# Allegro board STANDARD.brd (continued)
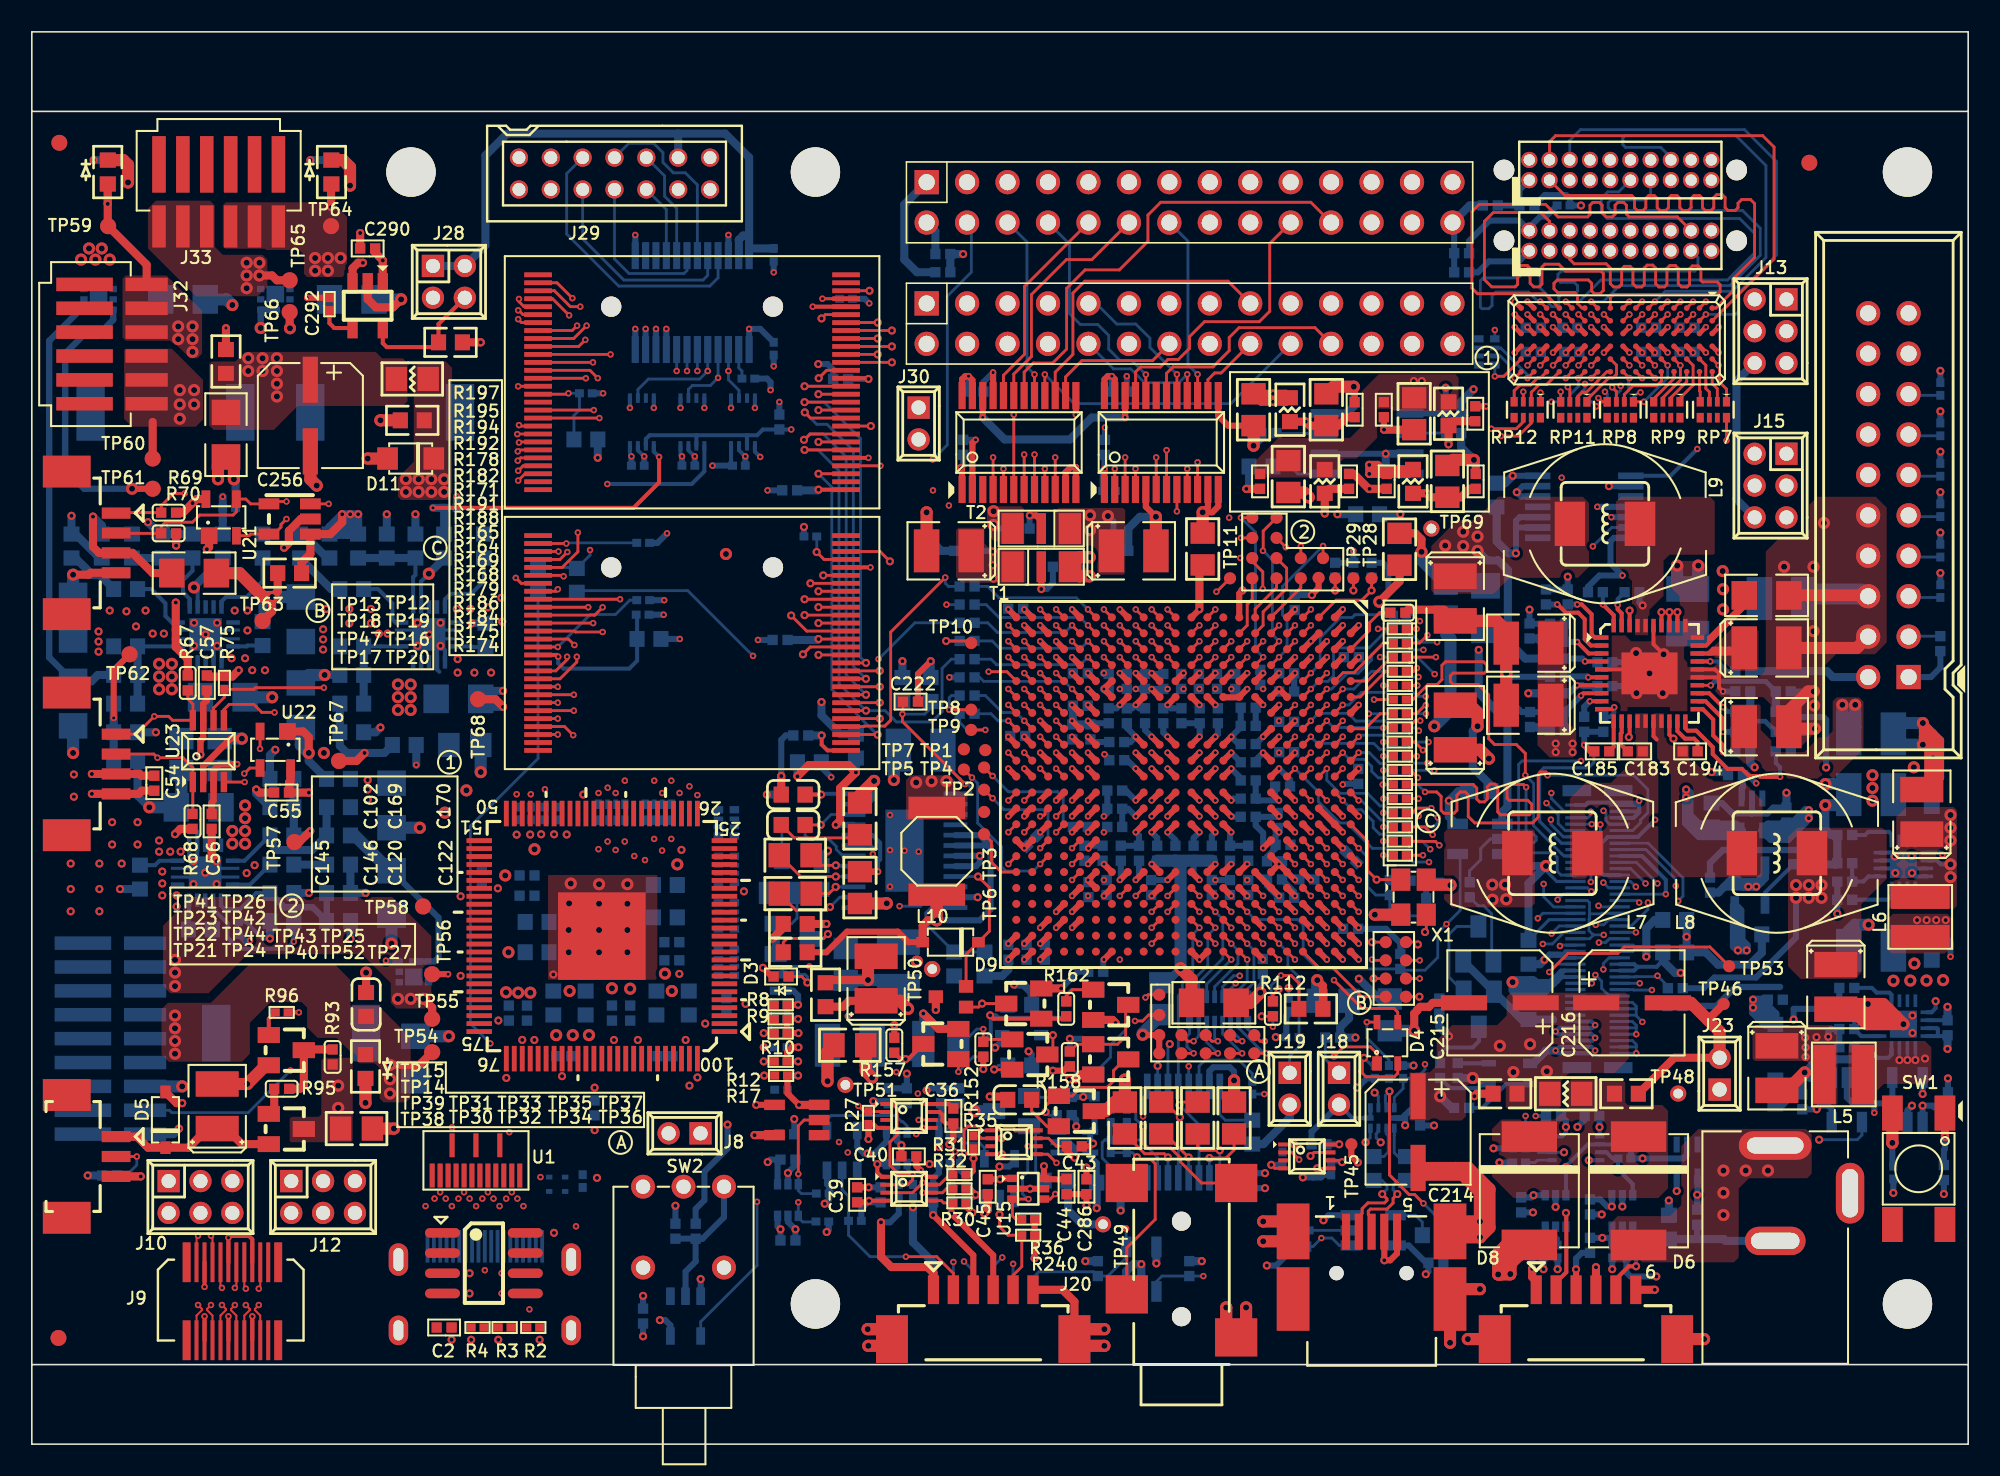
[diagram p0: board, top side]
## Routing (per net, layer and track width the routed paths; a pad name or vN(x,y) marks a point on that pad's centre or on a via; arc(x,y) is an arc through that point) (continued)
  BOTTOM w0.178: J27.P12 v3(97.96,28.96)
DMD_DCLK: length 28.4
  4--SIG w0.122: v3(97.94,34.73) 97.94,33.84 97.83,33.73 97.55,33.73 97.39,33.88 97.39,36.06 97.24,36.22 97.01,36.22 96.86,36.07 96.86,33.91 96.73,33.78 96.43,33.78 96.3,33.91 96.3,37.33 91.87,41.75 91.87,42.52 91.99,42.64 92.24,42.64 92.36,42.52 92.36,42.09 92.48,41.97 92.73,41.97 92.85,42.09 92.85,43.23 91.96,44.12 v3(87.71,44.12)
  BOTTOM w0.178: J27.P27 97.68,34.96 97.91,34.73 v3(97.94,34.73) ; R166.1 v3(87.71,44.12)
DMD_LOADB: length 27.3
  TOP w0.178: R165.1 86.85,44.12 v3(87.36,43.61)
  4--SIG w0.122: v3(87.36,43.61) 89.42,43.61 90.03,43 90.03,41.62 91.21,40.44 91.38,40.44 91.55,40.61 91.55,40.78 90.42,41.92 90.42,42.06 90.59,42.23 90.79,42.23 93.15,39.87 93.15,39.7 92.63,39.18 92.63,39.01 93.32,38.33 93.49,38.33 93.66,38.5 93.66,38.68 93.32,39.01 93.32,39.18 93.5,39.36 93.67,39.36 94.56,38.47 94.56,38.3 94.04,37.78 94.04,37.61 94.71,36.93 94.89,36.93 95.06,37.11 95.06,37.28 94.73,37.61 94.73,37.78 94.9,37.95 95.07,37.95 95.82,37.21 v3(95.82,34.22)
  BOTTOM w0.178: J27.P26 96.15,34.56 95.81,34.22 v3(95.82,34.22)
DMD_PG: length 16.6
  6-SIG w0.254: v3(54.49,33.8) 53.27,32.58 53.27,27.23 51.09,25.04 TP51.1
  BOTTOM w0.178: U38.10 57.03,35.02 55.81,33.8 v3(54.49,33.8)
DMD_PWR_EN: length 60.6
  TOP w0.254: v1(60.18,26.95) 60.4,26.73 Q7.1 64.81,26.73 R162.1 ; R142.1 v1(49.57,40.81)
  TOP w0.381: U7.G20 v3(77.32,32.45)
  3-SIG w0.381: v3(51.24,26.89) 54.38,26.89 54.78,26.49 56.96,26.49 57.41,26.95 v1(60.18,26.95)
  4--SIG w0.381: v3(77.32,32.45) 76.82,31.94 72.42,31.94 70.19,29.71 61.48,29.71 60.56,28.8 60.56,27.33 v1(60.18,26.95)
  6-SIG w0.254: v1(49.57,40.81) 51.24,39.14 v3(51.24,26.89)
  BOTTOM w0.254: R142.1 v1(49.57,40.81) 49.62,40.87 U38.24 ; R162.1 64.87,26.79 60.69,26.79 60.54,26.95 v1(60.18,26.95) 60.22,26.91 60.22,25.75 R159.1
DMD_PWR_EN_INV: length 4.3
  TOP w0.178: Q5.1 59.46,27.46 v1(59.67,27.68) Q7.2
  BOTTOM w0.178: R151.2 61.21,27.68 v1(59.67,27.68)
DMD_SAC_BUS: length 34.7
  3-SIG w0.122: v3(98.69,29.83) 100.07,31.21 100.85,31.21 102.73,33.09 102.73,34.01 102.98,34.26 102.98,34.77 102.78,34.97 102.78,37.84 98.49,42.13 98.49,43.48 96.3,45.67 94.27,45.67 91.68,48.26 90.38,48.26 v3(88.25,50.39)
  BOTTOM w0.178: v3(98.69,29.83) 98.69,30.2 99.05,30.56 J27.M16 ; R193.1 87.15,50.39 v3(88.25,50.39)
DMD_SAC_CLK: length 39.1
  TOP w0.178: R192.1 v3(88.17,49.45)
  3-SIG w0.122: v3(88.17,49.45) 89.98,47.65 91.37,47.65 93.91,45.11 95.31,45.11 96.23,44.19 96.23,43.4 97.17,42.47 97.62,42.47 102.5,37.59 102.5,35.05 102.19,34.74 102.19,33.7 101.86,33.37 99.43,33.37 99.3,33.24 99.3,33.02 99.45,32.86 101.31,32.86 101.51,32.66 101.51,32.36 100.87,31.72 99.22,31.72 98.19,30.69 v3(98.19,29.48)
  BOTTOM w0.178: v3(98.19,29.48) 98.59,29.08 98.59,28.64 99.07,28.16 J27.M10
DMD_SCTRL: length 26.3
  TOP w0.178: R164.1 v3(86.98,43.23)
  4--SIG w0.122: v3(94.94,35.2) 94.93,35.2 91.63,38.5 91.63,38.67 92.21,39.25 92.21,39.43 92.05,39.58 91.88,39.58 91.34,39.04 91.15,39.04 91.02,39.17 91.02,40 90.89,40.13 90.66,40.13 90.54,40.01 90.54,38.5 90.41,38.38 90.17,38.38 90.05,38.5 90.05,40.38 89.59,40.85 89.59,42.2 89.47,42.32 89.22,42.32 89.1,42.2 89.1,41.09 88.98,40.97 88.74,40.97 88.61,41.09 88.61,42.61 88.71,42.7 89.44,42.7 89.59,42.85 89.59,43.06 89.42,43.23 v3(86.98,43.23)
  BOTTOM w0.178: J27.P24 95.58,33.76 94.94,34.4 v3(94.94,35.2)
DMD_TEST_SCAN: length 14.3
  TOP w0.178: v3(95.3,29.66) 96.46,30.83 99.59,30.83 100,31.24 105.38,31.24 TP53.1
  BOTTOM w0.178: v3(95.3,29.66) 95.79,30.16 J27.P15
DMD_TRC: length 26
  4--SIG w0.122: v3(95.44,32.08) 95.05,32.47 94.21,32.47 93.84,32.84 93.84,33.96 93.71,34.08 93.4,34.08 93.25,33.94 93.25,32.58 93.13,32.46 92.82,32.46 92.69,32.58 92.69,33.27 92.52,33.45 92.24,33.45 92.06,33.27 92.06,32.69 91.92,32.55 91.59,32.55 91.42,32.71 91.42,33.45 91.04,33.83 91.04,35.86 90.71,36.19 87.58,36.19 86.99,36.78 86.99,37.69 87.49,38.19 87.49,40.31 87.94,40.76 87.94,41.53 87.64,41.83 v3(87.64,42.79)
  BOTTOM w0.178: J27.P21 95.92,32.56 v3(95.44,32.08) ; v3(87.64,42.79) 86.75,42.79 R163.1
DRV_D: length 4.9
  TOP w0.178: C220.1 47.19,31.53 47.43,31.77 49.72,31.77 49.99,32.05 v1(49.99,32.05)
  BOTTOM w0.178: 48.91,31.75 49.69,31.75 49.99,32.05 v1(49.99,32.05)
DRV_EXT_POWER_ON: length 11.6
  TOP w0.178: U9.15 v3(73.21,67.22)
  BOTTOM w0.178: J3.14 72.6,75.59 72.6,67.82 v3(73.21,67.22)
DRV_GPIO00: length 4.6
  TOP w0.178: U9.14 73.86,66.89 74.28,67.31 74.69,67.31 J6.18
DRV_GPIO02: length 13.8
  TOP w0.178: J6.22 80.58,70.15 75.81,70.15 75.19,69.53 75.19,68.7 74.18,67.69 71.66,67.69 71.26,67.28 U9.18
DRV_GPIO11: length 9.1
  TOP w0.178: U9.17 v3(71.91,67.22)
  BOTTOM w0.178: v3(71.91,67.22) 70.22,68.91 70.22,69.49 69.33,70.38 68.13,70.38 66.84,71.68 J6.9
DRV_GPIO12: length 8.8
  TOP w0.178: U9.16 v3(72.56,67.22)
  BOTTOM w0.178: v3(72.56,67.22) 72.04,66.7 69.87,66.7 69.01,67.56 67.93,67.56 J6.10
DRV_INIT_DONE: length 18
  TOP w0.178: J3.20 77.74,75.44 77.74,71.18 77.09,70.53 73.64,70.53 72.71,69.59 72.71,68.86 72.01,68.16 71.35,68.16 70.87,67.68 69.62,67.68 69.31,67.36 U9.21
DRV_TRIG_OUTA_1: length 70.5
  TOP w0.178: v3(57.99,18.38) 57.85,18.24 R31.1 57.64,16.94 57,16.3 U12.7
  4--SIG w0.122: v3(75.89,55.68) 76.91,54.66 76.91,36.4 77.69,35.63 77.69,31.3 77.35,30.96 75.12,30.96 72.68,28.52 72.68,27.81 69.4,24.53 66.1,24.53 62.34,20.77 60.38,20.77 v3(57.99,18.38)
  6-SIG w0.122: v3(75.89,55.68) 77.02,56.81 77.02,62.02 J6.24
DRV_TRIG_OUTA_2: length 108.8
  TOP w0.178: R32.1 57.44,16.05 57.19,15.8 U12.6 v3(55.94,15.8)
  4--SIG w0.122: v3(55.94,15.8) 56.51,15.23 61.39,15.23 61.69,14.93 64.84,14.93 65.44,15.53 77.24,15.53 80.2,12.57 83.35,12.57 91.6,20.82 91.6,23.08 93.16,24.65 93.16,25.64 100.09,32.56 102.58,32.56 104.38,34.36 104.38,41.37 103.49,42.26 101.84,42.26 98.42,45.68 98.42,46.87 92.31,52.98 92.31,60.96 90.69,62.58 90.69,65.28 87.64,68.33 87.64,70.71 J6.25
DRV_TRIG_OUTB_1: length 81.7
  4--SIG w0.122: v3(93.81,20.62) 96.44,23.25 96.44,26.55 101.05,31.16 102.37,31.16 105.06,33.85 105.06,42.97 101.55,46.49 101.55,47.25 96.35,52.45 96.35,53.77 95.56,54.56 95.56,60.07 93.48,62.15 93.48,64.92 90.71,67.69 90.71,71.52 86.95,75.28 77.99,75.28 J3.18
  BOTTOM w0.178: v3(93.81,20.62) 93.81,20.62 R42.1 94.29,19.48 94.93,18.84 U18.7
DRV_TRIG_OUTB_2: length 87.9
  4--SIG w0.122: v1(96.22,18.34) 95.23,18.34 93.39,20.18 93.39,22.93 94.95,24.49 94.95,26.91 99.73,31.7 102.3,31.7 104.73,34.13 104.73,41.8 97.8,48.74 97.34,48.74 94.6,51.48 94.6,60.12 92.72,62 92.72,64.89 90.18,67.43 89.47,67.43 88.17,68.73 88.17,72.05 85.78,74.44 76.29,74.44 J3.16
  BOTTOM w0.178: v1(96.22,18.34) U18.6 94.63,18.34 94.38,18.59 R45.1
DRV_UART0_TXD: length 14.5
  TOP w0.178: U9.20 v3(69.96,67.2)
  BOTTOM w0.178: J3.8 65.16,75.41 65.16,71.04 65.85,70.35 66.94,70.35 67.62,69.67 67.62,68.8 68.34,68.09 69.07,68.09 v3(69.96,67.2)
EXT_1V8: length 77
  TOP w0.254: U12.8 56.22,16.8 55.84,17.18 v3(55.84,17.19)
  TOP w0.35: U6.P3 v3(94.73,70.18) ; U6.C3 v3(104.33,70.18) ; U6.L3 v3(97.13,70.18) ; U6.F3 v3(101.93,70.18)
  TOP w0.38: v1(63.56,17.47) U15.6 63.61,16.65 C44.1
  TOP w0.381: U8.24 58.42,66.91 58.62,67.11 v3(58.82,67.11) 59.07,66.86 U8.23 ; C40.1 55.55,17.48 v3(55.84,17.19) ; U9.23 68.01,66.92 v3(67.82,67.11) 67.57,67.11 67.36,66.9 U9.24
  TOP w0.4: C56.1 11.29,40.31 11.41,40.43 11.41,42.35 11.79,42.73 v3(12.89,42.73)
  6-SIG w0.508: v1(63.56,17.47) 65.16,15.87 65.16,14.45 67.07,12.54 73.82,12.54 74.38,11.99 83.43,11.99 84.6,13.15 88.91,13.15 92.79,17.03 93.44,17.03 v1(96.34,19.93)
  BOTTOM w0.254: U18.8 96.1,19.34 96.34,19.58 v1(96.34,19.93)
  BOTTOM w0.38: v1(96.34,19.93) 96.34,20.32 C51.1 ; U4.6 46.83,13.68 v1(47.01,13.5) C3.1
  BOTTOM w0.381: C23.1 90.26,75.6 91.54,76.88 93.41,76.88 J4.2 94.04,76.45 94.73,77.14 95.09,77.14 R25.1 ; C32.1 v3(58.82,67.11) ; C35.1 v3(67.82,67.11)
  BOTTOM w0.508: J3.1 54.79,77.89 54.79,74.43 55.59,73.63 C18.1
EXT_POWER_ON: length 36.3
  TOP w0.178: U7.D21 v3(80.32,31.45) ; U9.9 v3(72.56,61.28)
  4--SIG w0.122: v3(80.32,31.45) 79.91,31.86 79.91,36.63 79.55,36.99 79.12,36.99 78.7,37.41 78.7,54.91 77.78,55.83 77.78,57.74 76.44,59.08 74.77,59.08 v3(72.56,61.28)
EXT_TRIG1_IN_VCC: length 79.9
  TOP w0.508: v1(53.32,13.94) 53.32,11.78 53.98,11.13 56.24,11.13 56.62,10.75 J11.1
  3-SIG w0.508: J10.1 J10.3 J10.5
  6-SIG w0.508: J10.5 14.04,17.98 20.74,17.98 21.69,17.03 21.69,10.63 22.24,10.08 30.84,10.08 31.59,10.83 31.59,13.48 32.44,14.33 48.09,14.33 50.99,17.23 52.49,17.23 ; v1(53.32,13.94) 53.32,16.4 52.49,17.23 ; 52.49,17.23 v1(52.49,18.26) 53.24,19.01 53.24,20.18 52.84,20.58 v1(52.84,21.55)
  BOTTOM w0.38: C294.1 C38.1 53.68,21.55 v1(52.84,21.55) ; U11.1 53.67,19.01 52.92,18.26 v1(52.49,18.26) 52.26,18.26 51.84,18.68 U51.5 ; v1(53.32,13.94) 53.9,13.94 54.44,14.48 R28.1
EXT_TRIG1_OUT_VCC: length 76
  TOP w0.508: J14.1 94.48,10.24 94.22,10.5 v1(94.22,11.01)
  6-SIG w0.508: J13.1 J13.3 J13.5 110.19,65.83 106.69,62.33 106.69,58.01 109,55.7 109,31.03 104.59,26.62 104.59,21.33 102.69,19.43 102.69,18.38 100.14,15.82 98.73,15.82 94.22,11.31 v1(94.22,11.01)
  BOTTOM w0.4: 94.41,12.51 93.96,12.96 C47.1 ; 94.41,12.51 94.22,12.33 v1(94.22,11.01) ; 94.41,12.51 R38.1 94.93,12.97 95.04,13.08 U16.6
EXT_TRIG2_IN_VCC: length 70.6
  TOP w0.38: v1(57.74,14.5) 60.37,11.87 J11.4
  3-SIG w0.508: J12.5 J12.3 J12.1
  4--SIG w0.508: v1(56.97,18.68) 56.21,18.68 54.04,16.51 54.04,15.89 52.38,14.23 43.74,14.23 39.44,9.93 31.69,9.93 30.49,8.73 27.01,8.73 25.82,9.93 22.57,9.93 21.69,10.8 21.69,15.13 J12.5
  6-SIG w0.381: 57.74,17.18 60.5,17.18 v1(60.77,17.45)
  6-SIG w0.508: v1(56.97,18.68) 56.97,18.55 57.74,17.78 v1(57.74,14.5)
  BOTTOM w0.38: U52.5 61.72,17.79 61.37,17.45 v1(60.77,17.45) ; R33.1 v1(57.74,14.5) ; C295.1 C42.1 ; U13.1 v1(56.97,18.68)
  BOTTOM w0.381: U13.1 56.97,20.23 57.11,20.37 C42.1
EXT_TRIG2_OUT_VCC: length 68.4
  TOP w0.508: J14.4 v1(98.23,11.12)
  6-SIG w0.508: v1(98.23,11.12) 98.23,12.56 v1(98.63,12.96) 103.12,12.96 105.39,15.23 105.39,18.13 108.59,21.33 110.99,21.33 114.08,24.42 114.08,44.04 112.89,45.23 112.89,55.53 J15.5 J15.3 J15.1
  BOTTOM w0.178: U17.6 99.25,13.65 R40.1
  BOTTOM w0.38: 99.23,12.95 99.23,12.53 R40.1 ; 99.23,12.95 U17.6 ; 99.23,12.95 99.22,12.96 v1(98.63,12.96) C49.1
FAN1_OUT: length 10.8
  TOP w0.508: J22.1 6.6,19.33 7.29,18.63 D5.2 9.84,18.63 11.04,19.83 C67.2 12.21,19.83 13.19,18.85 14.88,18.85
FAN1_PWMR: length 1.6
  TOP w0.254: R96.2 14.88,26.72 Q2.2
FAN1_PWMZ: length 5
  TOP w0.508: R93.1 17.12,24.8 Q2.3 17.08,22.58 16.83,22.33 R95.1
FAN1_PWMZR: length 1.7
  TOP w0.508: Q1.2 15.22,21.09 R95.2
FAN_LOCKED: length 98.2
  TOP w0.178: U7.B17 v3(82.32,35.45) ; J22.2 v3(6.59,18.08)
  3-SIG w0.122: v3(82.32,35.45) 81.78,35.99 73.24,35.99 72.15,34.9 72.15,31.06 71.6,30.51 71.6,28.1 72.29,27.4 72.29,24.93 71.81,24.45 63.74,24.45 62.32,23.03 58.34,23.03 58.34,23.03 58.03,23.03 58.03,23.03 55.79,23.03 54.79,22.03 52.04,22.03 51.46,21.45 49.42,21.45 49.08,21.79 45.78,21.79 41.69,25.88 39.39,25.88 38.89,26.38 30.84,26.38 30.59,26.13 28.54,26.13 28.24,26.43 20.84,26.43 16.07,21.66 11.77,21.66 8.19,18.08 v3(6.59,18.08)
  BOTTOM w0.178: R94.1 5.93,16.88 6.59,17.54 v3(6.59,18.08)
FAN_PWM: length 78.7
  TOP w0.178: U7.D15 v3(80.32,37.45)
  TOP w0.254: R96.1 v3(16.77,27.13)
  3-SIG w0.122: v3(16.77,27.13) 39.24,27.13 40.04,26.33 41.79,26.33 44.53,23.59 50.12,23.59 50.3,23.77 56.08,23.77 56.39,24.08 62.63,24.08 63.26,24.71 71.62,24.71 71.89,24.98 71.89,27.23 71.31,27.81 71.31,30.93 71.77,31.39 71.77,35.26 73.46,36.95 79.83,36.95 v3(80.32,37.45)
FLASH_CSS2Z: length 14.7
  TOP w0.178: U20.32 52.24,45.09 52.27,45.12 53.57,45.12 53.93,45.49 53.93,51.02 v3(57.36,54.45)
  BOTTOM w0.178: v3(57.36,54.45) 57.36,54.1 57.57,53.9 R62.1
FLASH_CSSZ: length 14.4
  TOP w0.178: U19.32 v3(53.29,61.47)
  4--SIG w0.122: v3(57.44,52.75) 55.71,52.75 53.4,55.06 53.4,61.36 v3(53.29,61.47)
  BOTTOM w0.178: R59.1 v3(57.44,52.75)
FLASH_CSZ: length 8.4
  TOP w0.178: U7.U2 v3(66.32,51.45)
  BOTTOM w0.178: R59.2 59.93,52.75 60.74,51.94 65.83,51.94 v3(66.32,51.45)
FLASH_CSZ_2: length 8.4
  TOP w0.178: U7.U1 v3(66.32,52.45)
  BOTTOM w0.178: R62.2 60.03,53.9 60.74,53.18 65.59,53.18 v3(66.32,52.45)
FLASH_RSTZ: length 28.3
  TOP w0.178: v3(34.79,66.97) U19.14 ; v3(34.07,50.21) 33.69,50.59 U20.14
  3-SIG w0.122: v3(34.07,50.21) 34.07,50.75 32.65,52.17 32.65,53.85 32.88,54.08 33.64,54.08 34.29,54.73 34.29,55.42 v3(35.05,56.18)
  4--SIG w0.122: v3(34.79,66.97) 34.79,62.39 35.05,62.13 v3(35.05,56.18)
  BOTTOM w0.178: R66.1 34.17,55.08 R65.1 35.05,55.86 v3(35.05,56.18)
GPIO_00: length 31.7
  TOP w0.178: U7.C15 v3(81.32,37.45) ; U9.10 v3(73.21,61.69)
  4--SIG w0.122: v3(81.32,37.45) 80.85,37.92 79.23,37.92 78.92,38.23 78.92,55.37 78.29,56 78.29,57.93 76.69,59.53 75.37,59.53 v3(73.21,61.69)
GPIO_02: length 38.6
  TOP w0.178: U7.A17 v3(83.32,35.45) ; U9.6 v3(70.61,62)
  4--SIG w0.122: v3(83.32,35.45) 83.69,35.82 83.69,41.41 83.14,41.96 81.24,41.96 80.89,42.31 80.89,54.32 79.21,56 79.21,57.76 76.43,60.53 75.09,60.53 73.54,62.07 70.68,62.07 v3(70.61,62)
GPIO_11: length 39.9
  TOP w0.178: U9.7 v3(71.26,62.45) ; U7.A19 v3(83.32,33.45)
  4--SIG w0.122: v3(71.26,62.45) 74.13,62.45 75.6,60.98 76.47,60.98 80.2,57.25 80.2,55.8 81.29,54.71 81.29,52.35 81.85,51.79 81.85,49.04 82.79,48.1 82.79,45.82 84.01,44.6 84.01,34.13 v3(83.32,33.45)
GPIO_12: length 11.5
  TOP w0.178: U9.8 v3(71.91,58.61) ; U7.M4 v3(71.32,49.45)
  4--SIG w0.122: v3(71.91,58.61) 71.91,50.03 v3(71.32,49.45)
GRN_ANODE: length 8.6
  TOP w0.508: D13.1 v1(4.76,77.93) 4.76,76.56 TP59.1 7.21,74.11 J32.1
  BOTTOM w0.508: R212.2 4.76,79.15 v1(4.76,77.93)
  vias: v2(9.19,70.23) v2(9.19,69.43) v2(10.09,70.23) v2(10.09,69.43) v2(10.09,68.63)
GRN_CATHODE: length 2.3
  TOP w0.508: TP60.1 7.59,64.23
  vias: v2(3.09,74.43) v2(3.59,75.13) v2(3.99,74.43) v2(4.39,75.13) v2(4.89,74.43) v2(9.29,66.23) v2(9.29,65.33) v2(9.29,64.43) v2(10.19,66.23) v2(10.19,65.33)
GRN_LED_EN: length 36
  6-SIG w0.254: v3(36.14,60.33) 31.59,60.33 31.14,59.88 28.54,59.88 27.14,61.28 15.09,61.28 13.34,59.53 v3(11.99,59.53)
  BOTTOM w0.254: v3(36.14,60.33) 41.44,60.33 42.23,61.12 U41.5
  BOTTOM w0.5: R237.1 v3(11.99,59.53)
  BOTTOM w0.508: R216.2 11.99,58.03 11.99,58.03 R237.1
GRN_LED_EN_CON: length 13.4
  BOTTOM w0.178: J29.6 34.59,75.73 37.18,73.14 42.15,73.14 42.44,73.43 U42.20
GRN_LED_PWM_CON: length 6.9
  BOTTOM w0.178: J29.9 39.74,79.69 39.74,78.41 40.49,77.65 U42.17
HOLD_BOOT_LOADER: length 15.9
  TOP w0.178: U7.D18 v3(80.32,34.45)
  4--SIG w0.122: J18.1 79.82,25.6 79.82,30.16 80.71,31.05 80.71,34.07 v3(80.32,34.45)
  BOTTOM w0.178: R71.1 81.23,24.19 J18.1
I2C1_SCL: length 90.2
  TOP w0.178: U7.J3 v3(75.32,50.45) ; v3(14.33,43.69) U22.2 ; J17.1 6.57,44.61 v3(7.69,45.73) 8.59,45.73 8.84,45.48 10.11,45.48 10.11,46.51 9.79,46.83 R67.1
  4--SIG w0.122: v3(75.32,50.45) 74.86,49.98 74.18,49.98 73.77,49.58 73.77,46.38 73.45,46.05 58.87,46.05 56.97,44.16 52.93,44.16 50.69,46.4 50.69,46.53 46.24,50.98 41.69,50.98 38.29,47.58 33.94,47.58 33.34,46.98 31.47,46.98 30.32,45.83 27.33,45.83 25.31,43.81 23.66,43.81 22.68,42.83 15.19,42.83 v3(14.33,43.69) 11.28,43.69 10.94,44.03 7.64,44.03 7.24,44.43 7.24,45.28 v3(7.69,45.73)
I2C1_SDA: length 87.5
  TOP w0.178: U22.3 13.69,42.48 13.34,42.13 v3(13.34,42.14) ; U7.J4 v3(75.32,49.45) ; J17.2 7.66,43.36 v3(7.89,43.13) 9.49,43.13 10.11,42.51 10.11,39.62 R68.1
  4--SIG w0.122: v3(7.89,43.13) 8.88,42.14 v3(13.34,42.14) 14.75,42.14 15.09,42.48 23.24,42.48 24.04,43.28 25.69,43.28 27.65,45.23 30.74,45.23 31.49,45.98 33.04,45.98 33.64,46.58 38.04,46.58 41.49,50.03 45.49,50.03 49.34,46.18 50.44,46.18 52.74,43.88 57.36,43.88 59.31,45.83 74.41,45.83 74.84,46.26 74.84,48.96 v3(75.32,49.45)
I2C_ADDR_SEL: length 9.6
  TOP w0.178: U7.F21 v3(78.32,31.45)
  BOTTOM w0.178: J19.1 78.99,24.39 79.58,24.98 R74.1 79.58,29.34 78.88,30.04 78.88,30.9 v3(78.32,31.45)
ICE_RSTZ: length 56.4
  3-SIG w0.122: v3(115.71,20.82) 114.69,21.84 114.69,42.36 119.39,47.06 119.39,64.45 J24.15
  BOTTOM w0.178: J24.15 117.94,65.9 R109.2
  BOTTOM w0.38: 115.71,21.41 114.36,21.41 113.98,21.79 U32.2 ; 115.71,21.41 v3(115.71,20.82) ; 115.71,21.41 116.42,21.41 116.84,21.83 U31.4
ICTSEN_PD: length 7.1
  TOP w0.178: U7.V6 v3(65.32,47.45)
  BOTTOM w0.178: R113.2 59.52,48.18 59.78,47.93 64.85,47.93 v3(65.32,47.45)
INIT_DONE: length 38
  TOP w0.178: U7.F19 v3(78.32,33.45) ; U9.3 v3(68.66,62)
  4--SIG w0.122: v3(78.32,33.45) 78.69,33.81 78.69,36.66 77.94,37.41 77.94,54.94 76.59,56.28 76.59,58.23 76.12,58.7 74.32,58.7 72.44,60.58 71.36,60.58 69.93,62 v3(68.66,62)
LED_CTRL_VOLTAGE: length 38.2
  BOTTOM w0.508: U42.24 45.04,75.13 ; 45.04,75.13 C248.1 ; 45.04,75.13 45.04,75.94 ; 40.59,82.34 J29.11 ; 40.59,82.34 43.55,82.34 45.04,80.84 45.04,75.94 ; 40.59,82.34 29.85,82.34 28.48,80.97 28.48,75.32 J28.3 J28.1 ; 45.04,75.94 44.66,75.94 44.39,75.67 U42.23
LED_STATUS_GRN: length 17.7
  TOP w0.178: U7.C16 v3(81.32,36.45) ; v3(81.77,24.36) 81.77,24.35 82.38,24.96 84.06,24.96 84.48,24.55 D4.1
  4--SIG w0.122: v3(81.77,24.36) 80.15,25.99 80.15,29.74 80.93,30.53 80.93,36.06 v3(81.32,36.45)
LED_STATUS_RED: length 13.7
  TOP w0.178: D4.4 85.78,27.14 85.54,27.38 83.55,27.38 v3(81.77,29.16) ; U7.B16 v3(82.32,36.45)
  4--SIG w0.122: v3(82.32,36.45) 81.95,36.08 81.95,29.33 v3(81.77,29.16)
LED_VOUT: length 48.4
  TOP w0.178: U44.3 v3(18.64,59.08)
  3-SIG w0.122: v3(18.64,59.08) 18.64,53.78 19.09,53.33 19.09,33.18 16.24,30.33 v3(16.24,23.48)
  BOTTOM w0.178: v3(16.24,23.48) 13.59,20.83 8.79,20.83 8.64,20.98 J31.2
LEDB_EN: length 49.6
  TOP w0.178: U7.K1 v3(74.32,52.45)
  6-SIG w0.122: v3(42.44,67.43) 43.64,68.63 51.62,68.63 53.3,66.95 57.39,66.95 58.16,66.18 65.78,66.18 72.29,59.67 72.29,58.02 73.49,56.82 73.49,53.28 v3(74.32,52.45)
  BOTTOM w0.178: U42.5 v3(42.44,67.43) 41.94,66.93 38.72,66.93 38.06,66.26 U43.2
LEDB_PWM: length 88.7
  TOP w0.178: U7.K4 v3(74.32,49.45)
  4--SIG w0.122: v1(21.89,45.03) 24.8,45.03 27.09,47.32 28.83,47.32 30.24,48.73 35.29,48.73 38.89,52.33 38.89,52.81 40.26,54.18 40.26,57.38 40.24,57.4 40.24,67.18 v3(40.49,67.43)
  6-SIG w0.122: v3(74.32,49.45) 74.94,50.07 74.94,56.53 74.54,56.93 74.54,59.83 66.2,68.17 55.44,68.17 55.13,68.48 53.84,68.48 53.32,69 52.79,69 52.36,69.43 42.49,69.43 v3(40.49,67.43)
  BOTTOM w0.178: U42.8 v3(40.49,67.43)
  BOTTOM w0.508: R228.2 21.59,44.73 v1(21.89,45.03)
LEDG_EN: length 45.8
  TOP w0.178: U7.L4 v3(73.32,49.45)
  6-SIG w0.122: v3(73.32,49.45) 72.24,50.53 72.24,54.64 69.39,57.49 69.39,58.63 63.93,64.09 53.72,64.09 52.33,65.48 49.24,65.48 48.78,65.93 48.02,65.93 47.15,66.8 43.3,66.8 v3(43.09,67)
  BOTTOM w0.178: U41.2 41.23,66.27 41.48,66.52 42.61,66.52 v3(43.09,67) U42.4
LEDG_PWM: length 101.1
  TOP w0.178: U7.K3 v3(74.32,50.45)
  4--SIG w0.122: v3(41.14,67.43) 40.74,67.83 40.19,67.83 39.94,67.58 39.94,61.73 39.52,61.31 39.52,54.41 38.54,53.43 38.54,52.48 36.09,50.03 36.09,50.01 35.11,49.03 29.99,49.03 28.89,47.93 26.79,47.93 24.4,45.54 8.6,45.54 v1(7.79,44.73)
  6-SIG w0.122: v3(41.14,67.43) 42.74,69.03 51.93,69.03 53.48,67.48 57.93,67.48 58.78,66.62 66,66.62 68.87,63.75 69.4,63.75 72.89,60.26 72.89,58.23 73.99,57.13 73.99,53.38 74.69,52.68 74.69,50.82 v3(74.32,50.45)
  BOTTOM w0.178: U42.7 v3(41.14,67.43)
  BOTTOM w0.508: R217.2 v1(7.79,44.73)
LEDR_EN: length 44.2
  TOP w0.178: U7.L3 v3(73.32,50.45)
  6-SIG w0.122: v3(43.74,67.43) 43.84,67.33 48.35,67.33 49.29,66.39 49.77,66.39 50.12,66.04 56.25,66.04 57.22,65.07 63.79,65.07 66.48,62.38 67.52,62.38 69.94,59.96 69.94,57.93 72.74,55.13 72.74,51.03 v3(73.32,50.45)
  BOTTOM w0.178: U40.2 44.41,66.21 43.74,66.88 v3(43.74,67.43) U42.3
LEDR_PWM: length 91.4
  TOP w0.178: U7.K2 v3(74.32,51.45)
  4--SIG w0.122: v3(41.79,67.43) 41.79,65.48 41.19,64.88 41.19,61.43 40.69,60.93 40.69,53.33 39.89,52.53 39.57,52.53 35.47,48.43 31.81,48.43 30.13,46.76 27.44,46.76 25.03,44.34 16,44.34 v1(15.29,43.63)
  6-SIG w0.122: v3(74.32,51.45) 73.8,51.98 73.8,52.52 73.09,53.23 73.09,56.3 71.19,58.2 71.19,60.03 68.08,63.14 66.53,63.14 64.02,65.66 57.64,65.66 56.85,66.44 51.9,66.44 50.06,68.28 43.86,68.28 42.58,67 42.22,67 v3(41.79,67.43)
  BOTTOM w0.178: U42.6 v3(41.79,67.43)
  BOTTOM w0.508: v1(15.29,43.63) 14.95,43.29 R206.2
MAN_RSTZ: length 16.9
  TOP w0.76: v2(116.84,18.93) 116.84,18.93 SW1.3
  4--SIG w0.76: J23.1 112.24,22.28 115.59,18.93 v2(116.84,18.93)
  BOTTOM w0.38: U31.3 v2(116.84,18.93) 116.84,17.53 R102.2
MDE: length 3.2
  TOP w0.178: U6.P6 94.72,66.98 94.55,66.98 94.11,66.55 93.45,66.55 93.09,66.19 RP12.4
MHS: length 2.9
  TOP w0.178: U6.N6 95.12,66.58 94.65,66.58 94.16,66.09 RP12.2
MOC: length 3.2
  TOP w0.178: RP12.1 v3(94.74,66.07) ; U6.N5 v3(95.53,67.78)
  4--SIG w0.122: v3(94.74,66.07) 94.74,66.63 95.53,67.42 v3(95.53,67.78)
MS1: length 4.5
  TOP w0.178: U6.R5 v3(93.93,67.78)
  3-SIG w0.122: v3(91.88,70.01) 91.88,69.24 93.33,67.78 v3(93.93,67.78)
  BOTTOM w0.178: RP13.1 v3(91.88,70.01)
MS2: length 3.5
  TOP w0.178: U6.R6 v3(93.93,66.98)
  BOTTOM w0.178: RP13.2 92.24,68.88 93.93,67.19 v3(93.93,66.98)
MS3: length 2.7
  TOP w0.178: U6.T6 v3(93.13,66.98)
  BOTTOM w0.178: v3(93.13,66.98) 92.75,67.37 92.75,67.84 92.21,68.38 RP13.3
MS4: length 2.8
  TOP w0.178: v3(91.88,67.1) 92.44,67.1 U6.T5
  BOTTOM w0.178: RP13.4 v3(91.88,67.1)
MUX_HSYNC: length 105.9
  TOP w0.178: U7.AB16 v3(61.32,36.45) ; RP12.7 94.16,64.15 93.36,63.34 v3(92.26,63.34)
  6-SIG w0.122: v3(61.32,36.45) 60.06,35.18 58.79,35.18 58.38,34.77 58.38,29.83 58.23,29.68 57.89,29.68 57.67,29.9 57.67,30.63 57.55,30.75 56.86,30.75 56.74,30.87 56.74,31.11 56.86,31.24 57.55,31.24 57.67,31.36 57.67,31.6 57.55,31.72 56.86,31.72 56.74,31.85 56.74,32.09 56.86,32.21 57.55,32.21 57.67,32.33 57.67,35.63 58.2,36.17 60.31,36.17 61,36.86 65.05,36.86 65.25,37.05 72.25,37.05 72.45,36.85 72.45,36.26 72.57,36.14 72.91,36.14 73.04,36.26 73.04,36.8 73.16,36.93 73.57,36.93 73.69,36.81 73.69,33.57 74.17,33.08 83.48,33.08 83.8,33.41 83.8,33.55 84.29,34.03 84.77,34.03 85,33.8 85,33.19 85.12,33.07 85.49,33.07 85.61,33.19 85.61,33.98 85.74,34.11 86.09,34.11 86.24,33.96 86.24,33.19 86.37,33.07 86.71,33.07 86.83,33.19 86.83,33.85 87.29,34.32 87.29,35.59 88.81,37.11 89.82,37.11 90.19,37.48 90.19,43.5 89.44,44.24 89.44,51.15 89.57,51.27 90.12,51.27 90.24,51.39 90.24,51.64 90.12,51.76 89.57,51.76 89.44,51.88 89.44,52.12 89.57,52.25 90.12,52.25 90.24,52.37 90.24,52.61 90.12,52.73 89.57,52.73 89.44,52.85 89.44,53.32 89.57,53.44 91.17,53.44 91.29,53.56 91.29,53.81 91.17,53.93 89.57,53.93 89.44,54.05 89.44,54.3 89.57,54.42 91.17,54.42 91.29,54.54 91.29,54.78 91.17,54.9 89.57,54.9 89.44,55.03 89.44,55.46 89.54,55.56 90.98,55.56 91.33,55.9 91.33,57.53 91.23,57.63 90.79,57.63 90.64,57.78 90.64,58.06 90.76,58.18 91.44,58.18 92.11,58.85 92.11,59.13 91.99,59.25 91.71,59.25 91.59,59.37 91.59,59.61 91.71,59.74 91.99,59.74 92.11,59.86 92.11,60.1 91.99,60.22 91.71,60.22 91.59,60.35 91.59,60.59 91.71,60.71 91.99,60.71 92.11,60.83 92.11,61.3 92.26,61.45 v3(92.26,63.34)
MUX_VSYNC: length 148.3
  TOP w0.178: v3(91.65,63.8) 93.22,63.8 93.66,64.24 RP12.6 ; U7.Y15 v3(63.32,37.45) ; TP2.1 v3(60.34,40.59)
  3-SIG w0.122: 34.61,44.12 48.65,44.12 49.54,43.23 57.13,43.23 57.98,42.38 57.98,40.05 58.16,39.88 58.64,39.88 58.84,40.08 58.84,40.38 58.71,40.5 58.71,40.84 58.86,40.99 62.35,40.99 62.73,40.61 62.73,38.04 v3(63.32,37.45)
  6-SIG w0.122: v3(63.32,37.45) 62.88,37.9 62.88,38.66 63.18,38.96 74.56,38.96 74.86,38.66 74.86,34.26 75.08,34.04 83.48,34.04 83.78,34.34 83.78,37.05 84.11,37.39 85.28,37.39 85.58,37.69 85.58,45.84 85.77,46.03 86.01,46.03 86.18,45.86 86.18,40.28 86.48,39.98 87.39,39.98 88.06,40.65 88.06,41.1 88.62,41.66 88.62,55.01 88.49,55.13 88.25,55.13 88.13,55.01 88.13,52.26 88.01,52.14 87.76,52.14 87.64,52.26 87.64,55.37 88.07,55.8 88.07,56.63 88.81,57.36 88.81,61.4 89.39,61.98 89.39,63.67 89.7,63.98 90.95,63.98 91.07,64.1 91.07,64.49 90.95,64.61 89.42,64.61 89.29,64.74 89.29,65.1 89.41,65.22 89.74,65.22 89.75,65.23 90.59,65.23 90.96,65.6 90.96,66.61 90.72,66.85 88.85,66.85 88.7,67 88.7,67.31 88.87,67.48 91.58,67.48 91.73,67.64 91.73,68.05 91.61,68.17 90.33,68.17 90.21,68.3 90.21,68.65 90.36,68.8 91.91,68.8 92.24,68.47 92.24,65.46 91.65,64.87 v3(91.65,63.8)
  BOTTOM w0.178: v3(63.32,37.45) 63.82,37.94 63.82,39.65 63.59,39.87 61.05,39.87 v3(60.34,40.59)
MVS: length 3.3
  TOP w0.178: U6.P5 v3(94.73,67.78) ; RP12.3 v3(93.66,66.13)
  4--SIG w0.122: v3(94.73,67.78) 94.73,67.19 v3(93.66,66.13)
OVCC_3V3: length 7.4
  TOP w0.38: v1(48.14,24.94) 47.74,24.94 47.43,24.63 R12.2 ; R9.2 R10.2 v1(48.14,25.83) ; R8.2 v1(48.12,27.61)
  3-SIG w0.122: v3(31.33,40.84) 31.33,40.84
  BOTTOM w0.38: v1(48.12,27.61) 48.12,28.19 47.81,28.5 R7.2 ; R11.2 v1(48.14,24.94) ; R6.2 R5.2 v1(48.12,23.16)
  vias: v1(29.27,34.92) v1(30.44,38.3) v1(30.8,25.4) v1(31.3,38.3) v1(31.98,38.32) v1(32.8,38.32) v1(33.59,38.31) v1(45.96,25.83) v2(29.93,30.91) v2(32.93,25.7) v2(33.97,25.7) v2(34.99,25.7) v2(40.53,36.43) v3(30.44,40.84) v3(32.22,41.14) v3(35.59,40.91) v3(35.58,37.39) v3(36.16,41.25) v3(36.16,37.87) v3(36.66,40.91) v3(36.66,37.33) v3(37.24,41.69) v3(37.23,37.87) v3(37.83,36.95) v3(38.51,36.7) v3(39.08,41.69) v3(39.08,38.03) v3(39.58,40.91) v3(39.58,37.3) v3(40.16,41.69) v3(40.16,38.03) v3(40.68,40.92) v3(41.3,41.33) v3(41.8,40.78)
